# KiCad board SDR_1.2_Display.kicad_pcb
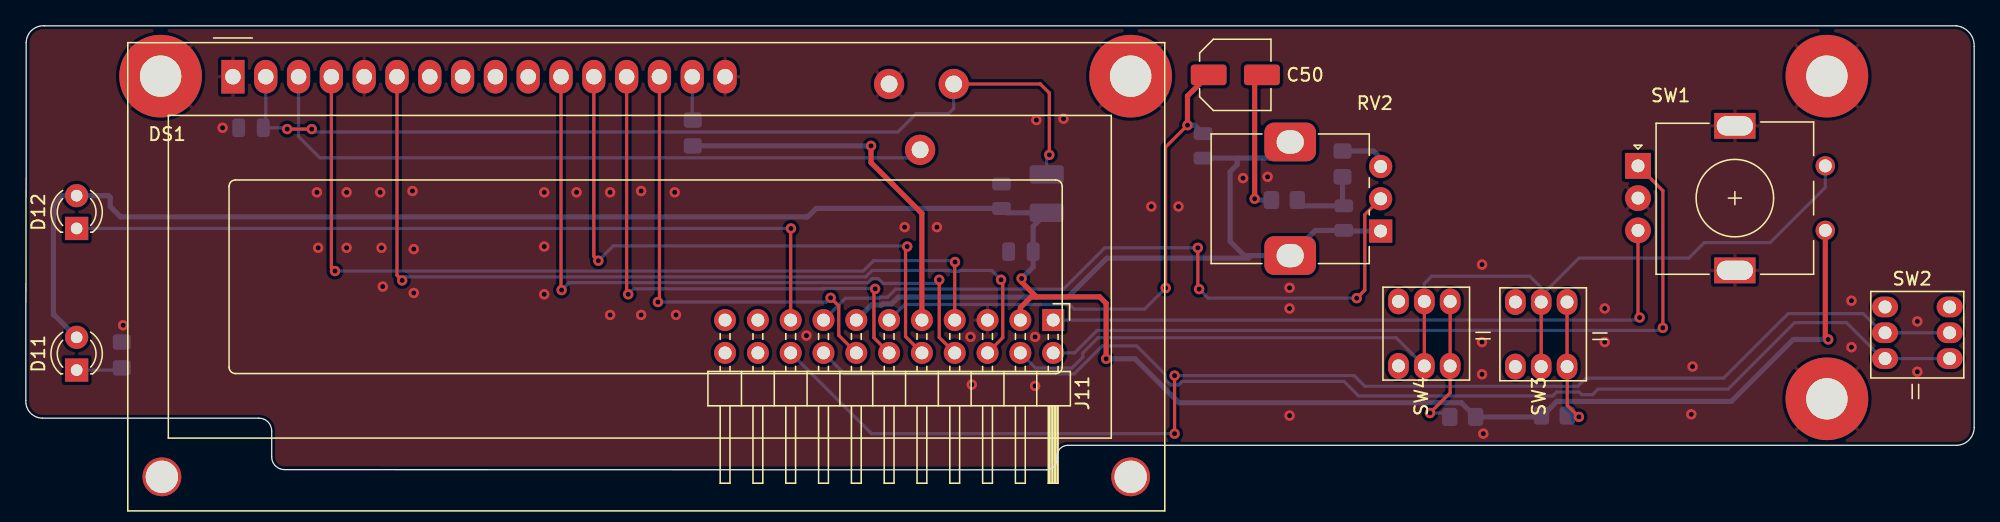
[diagram p0: board, top side]
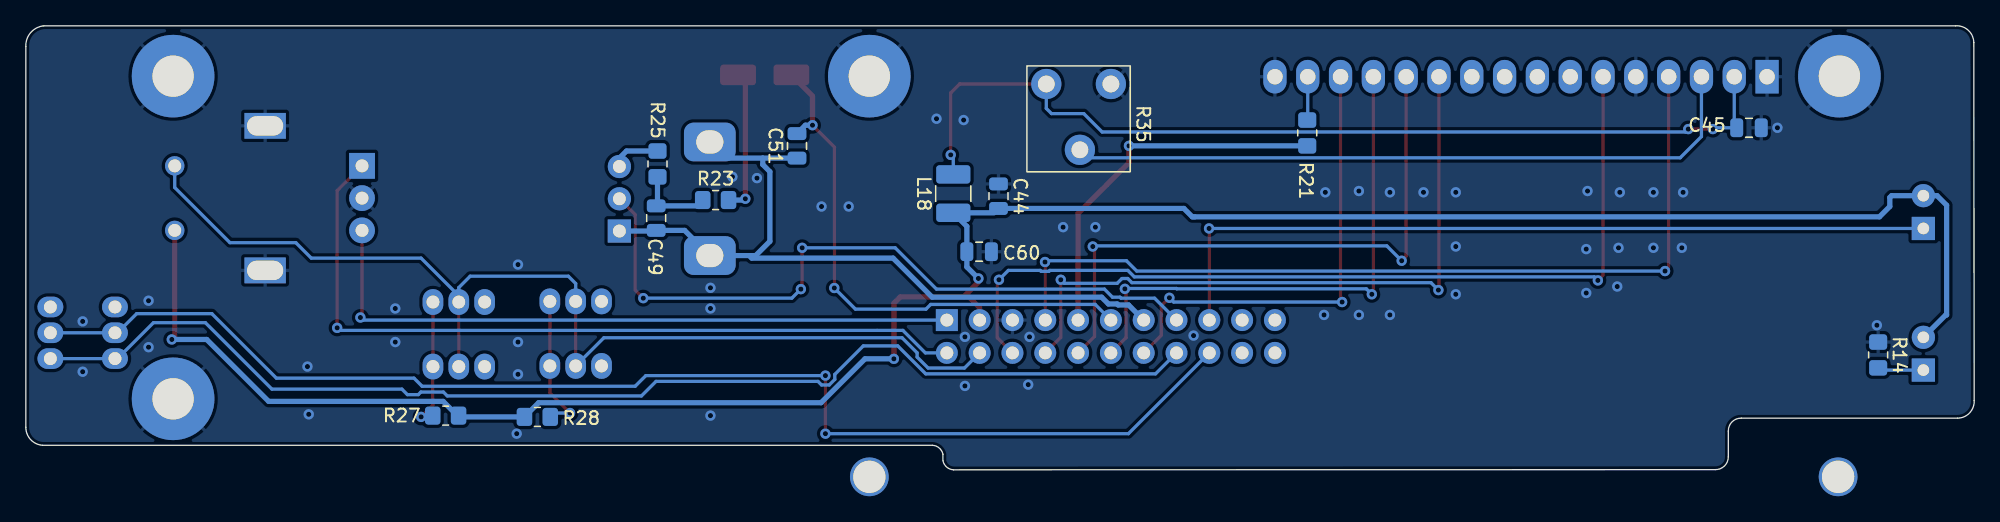
[diagram p1: board, bottom side, seen from below]

Outline 150.83 x 34.4 mm; copper layers: Top, Bottom. Coordinates in mm from the lower left corner of the outline.
Outline path: 0.03,33.1 0,5.37 arc(0.36,4.41) 1.3,4 18.03,4 arc(18.75,3.71) 19.03,3 19.03,1.01 arc(19.33,0.3) 20.05,0.01 79,0 arc(79.54,0.21) 79.83,0.7 79.83,1.2 arc(80.13,1.69) 80.66,1.9 149.53,1.9 arc(150.46,2.34) 150.83,3.3 150.83,32.8 arc(150.45,33.88) 149.43,34.4 1.43,34.4 arc(0.45,34.05) 0.03,33.1
Stack: Top 0.035mm / dielectric 1.51mm FR4 er 4.5 / Bottom 0.035mm

## Placement (name value [footprint] x y rotation side)
C44  100n  [C_0805_2012Metric]  75.53 21.2 270 bottom
C45  100n  [C_0805_2012Metric]  17.43 26.5 0 bottom
C49  10n  [C_0805_2012Metric]  102.03 19.5 90 bottom
C50  10uF  [C_Elec_5x5.4]  93.63 30.6 0 top
C51  10n  [C_0805_2012Metric]  91.13 25.1 90 bottom
C60  100n  [C_0805_2012Metric]  77.03 16.9 0 bottom
D11  LED  [LED_D3.0mm]  3.93 7.73 90 top
D12  LED  [LED_D3.0mm]  3.93 18.7 90 top
DS1  -  [WC1602A]  16.03 30.46 0 top
H5  MountingHole_Pad  [MountingHole_3.2mm_M3_Pad_TopBottom]  139.43 30.5 0 top
H6  MountingHole_Pad  [MountingHole_3.2mm_M3_Pad_TopBottom]  10.43 30.5 180 bottom
H7  MountingHole_Pad  [MountingHole_3.2mm_M3_Pad_TopBottom]  139.43 5.5 180 bottom
H8  MountingHole_Pad  [MountingHole_3.2mm_M3_Pad_TopBottom]  85.53 30.5 0 top
J11  Conn_02x11_Odd_Even  [PinHeader_2x11_P2.54mm_Horizontal]  79.53 11.6 270 top
L18  100uH  [L_1210_3225Metric_Pad1.42x2.65mm_HandSolder]  79.03 21.4 90 bottom
R14  390R  [R_0805_2012Metric_Pad1.20x1.40mm_HandSolder]  7.43 8.9 270 bottom
R21  1k  [R_0805_2012Metric_Pad1.20x1.40mm_HandSolder]  51.63 26.1 90 bottom
R23  10k  [R_0805_2012Metric_Pad1.20x1.40mm_HandSolder]  97.43 20.9 180 bottom
R25  10k  [R_0805_2012Metric_Pad1.20x1.40mm_HandSolder]  101.93 23.7 270 bottom
R27  1k  [R_0805_2012Metric_Pad1.20x1.40mm_HandSolder]  118.33 4.2 180 bottom
R28  3k3  [R_0805_2012Metric_Pad1.20x1.40mm_HandSolder]  111.23 4.1 0 bottom
R35  10k  [Potentiometer_Piher_PT-10-V10_Vertical]  71.83 29.89 270 bottom
RV2  10k RV09  [Potentiometer_Alps_RK09K]  104.88 18.5 180 top
SW1  Frequency  [RotaryEncoder_Alps_EC11E_Vertical_H20mm]  124.81 23.55 0 top
SW2  Right  [SW_PUSH_6mm]  143.93 12.62 0 top
SW3  Right  [SW_PUSH_6mm]  115.31 8 90 top
SW4  Left  [SW_PUSH_6mm]  106.27 8.05 90 top

## Footprints (pads in the part's own frame, mm; a bottom-side part is the same pattern mirrored in y, then rotated)
C_0805_2012Metric
  rrect 1x1.45 smd: 1(-0.95,0) 2(0.95,0)
C_Elec_5x5.4
  rrect 2.775x1.6 smd: 1(-2.062,0) 2(2.062,0)
L_1210_3225Metric_Pad1.42x2.65mm_HandSolder
  rrect 1.425x2.65 smd: 1(-1.488,0) 2(1.488,0)
LED_D3.0mm
  rect 1.8x1.8 hole 0.9: 1(0,0)
  round 1.8 hole 0.9: 2(2.54,0)
MountingHole_3.2mm_M3_Pad_TopBottom
  round 3.6 hole 3.2: 1(0,0)
  round 6.4 smd: 1(0,0)
  round 6.4 smd far side: 1(0,0)
PinHeader_2x11_P2.54mm_Horizontal
  rect 1.7x1.7 hole 1: 1(0,0)
  oval 1.7x1.7 hole 1: 2(2.54,0) 3(0,-2.54) 4(2.54,-2.54) 5(0,-5.08) 6(2.54,-5.08) 7(0,-7.62) 8(2.54,-7.62) 9(0,-10.16) 10(2.54,-10.16) 11(0,-12.7) 12(2.54,-12.7) 13(0,-15.24) 14(2.54,-15.24) 15(0,-17.78) 16(2.54,-17.78) 17(0,-20.32) 18(2.54,-20.32) 19(0,-22.86) 20(2.54,-22.86) 21(0,-25.4) 22(2.54,-25.4)
Potentiometer_Alps_RK09K
  rect 1.8x1.8 hole 1: 1(0,0)
  round 1.8 hole 1: 2(0,-2.5) 3(0,-5)
  rrect 4x3 hole 2.1x1.8: 4(7,1.9) 5(7,-6.9)
Potentiometer_Piher_PT-10-V10_Vertical
  round 2.34 hole 1.3: 1(0,0) 2(5.1,2.6) 3(0,5)
R_0805_2012Metric_Pad1.20x1.40mm_HandSolder
  rrect 1.2x1.4 smd: 1(-1,0) 2(1,0)
RotaryEncoder_Alps_EC11E_Vertical_H20mm
  rect 2x2 hole 1: A(0,0)
  round 2 hole 1: B(0,-5) C(0,-2.5)
  rect 3.2x2 hole 2.8x1.5: MP(7.5,3.1) MP(7.5,-8.1)
  round 1.5 hole 1: S1(14.5,0) S2(14.5,-5)
SW_PUSH_6mm
  oval 2x1.6 hole 1: (0,0) (5,0) 1(0,-2) 1(5,-2) 2(0,-4) 2(5,-4)
WC1602A
  round 3 hole 2.5: (-5.499,0) (-5.499,-31.001) (69.499,-31.001) (69.5,0)
  rect 1.8x2.6 hole 1.2: 1(0,0)
  oval 1.8x2.6 hole 1.2: 2(2.54,0) 3(5.08,0) 4(7.62,0) 5(10.16,0) 6(12.7,0) 7(15.24,0) 8(17.78,0) 9(20.32,0) 10(22.86,0) 11(25.4,0) 12(27.94,0) 13(30.48,0) 14(33.02,0) 15(35.56,0) 16(38.1,0)

## Nets
12V_P: J11.9 R21.1
+5V_P: C44.2 C60.2 D11.2 D12.2 J11.3 L18.1 R27.2 R28.2 SW1.S2
GND1: C44.1 C45.1 C60.1 DS1.1 DS1.5 DS1.16 H5.1 H6.1 H7.1 H8.1 J11.5 R14.1 R35.3 SW1.C SW1.MP
SDA_P: DS1.4 J11.7
Net-(C45-Pad2): C45.2 DS1.2 L18.2 R35.1
Net-(C49-Pad1): C49.1 C51.1 J11.13 RV2.1 RV2.4 RV2.5
Net-(C49-Pad2): C49.2 R23.1 R25.2
Net-(C50-Pad1): C50.1 C51.2 J11.11
Net-(C50-Pad2): C50.2 R23.2
Net-(D11-Pad1): D11.1 R14.2
Net-(D12-Pad1): D12.1 J11.17
Net-(DS1-Pad3): DS1.3 R35.2
Net-(DS1-Pad6): DS1.6 J11.6
Net-(DS1-Pad11): DS1.11 J11.8
Net-(DS1-Pad12): DS1.12 J11.10
Net-(DS1-Pad13): DS1.13 J11.12
Net-(DS1-Pad14): DS1.14 J11.14
Net-(DS1-Pad15): DS1.15 R21.2
Net-(J11-Pad1): J11.1 SW1.B
Net-(J11-Pad2): J11.2 SW1.A
Net-(J11-Pad4): J11.4 SW1.S1 SW3.1 SW4.1
Net-(J11-Pad15): J11.15 RV2.2
Net-(J11-Pad16): J11.16 SW2.2
Net-(J11-Pad18): J11.18 SW2.1
Net-(R25-Pad1): R25.1 RV2.3
Net-(R27-Pad1): R27.1 SW3.2
Net-(R28-Pad1): R28.1 SW4.2

Pads without a net: DS1 7 8 9 10; J11 19 20 21 22

## Via types
v1: diameter 0.8, hole 0.4, Top to Bottom, 82 vias

## Routing (per net, layer and track width the routed paths; a pad name or vN(x,y) marks a point on that pad's centre or on a via; arc(x,y) is an arc through that point)
12V_P: length 28.9
  Top w0.4: v1(65.43,25.1) 65.43,23.8 69.37,19.86 J11.9
  Bottom w0.4: v1(65.43,25.1) R21.1
+5V_P: length 178.9
  Top w0.4: 78.23,13.4 77.83,13.4 76.99,12.56 J11.3 ; 78.23,13.4 77.09,14.54 v1(77.09,14.82) ; 78.23,13.4 83.13,13.4 83.63,12.9 v1(83.63,8.6) ; SW1.S2 139.31,10.33 v1(139.53,10.1)
  Bottom w0.25: 75.87,19.91 C44.2
  Bottom w0.4: 75.87,19.91 L18.1 77.98,18.86 C60.2 77.98,15.72 v1(77.09,14.82) ; v1(139.53,10.1) 136.83,10.1 132.03,5.3 118.52,5.3 117.32,4.1 R28.2 111.13,5.2 89.27,5.2 85.87,8.6 v1(83.63,8.6) ; 60.43,19.6 7.33,19.6 6.53,20.4 6.53,21.1 6.39,21.24 D12.2 2.87,21.24 2.13,20.5 2.13,12 2.2,12 D11.2 ; 60.33,19.6 60.53,19.6 61.18,20.25 C44.2
GND1:
  vias: v1(7.53,11.2) v1(15.23,26.5) v1(22.53,21.5) v1(22.63,17.2) v1(24.83,21.5) v1(24.83,17.2) v1(27.43,21.5) v1(27.53,17.2) v1(27.63,14.2) v1(29.93,21.6) v1(30.03,17.1) v1(30.03,13.7) v1(40.13,21.5) v1(40.13,17.3) v1(40.13,13.6) v1(42.63,21.5) v1(45.23,21.5) v1(45.23,12) v1(47.63,21.6) v1(47.63,12) v1(50.23,21.5) v1(50.33,12) v1(60.43,10.4) v1(68.03,18.8) v1(70.53,18.8) v1(73.13,10.3) v1(73.23,6.6) v1(78.13,10.3) v1(78.13,6.5) v1(78.23,27.1) v1(80.33,27.2) v1(87.13,20.4) v1(89.23,20.4) v1(94.23,22.6) v1(96.13,22.7) v1(97.83,14.1) v1(97.83,12.5) v1(97.83,4.2) v1(112.73,15.9) v1(112.73,9.9) v1(112.73,7.4) v1(112.83,2.8) v1(122.23,12.5) v1(122.23,9.9) v1(128.93,4.3) v1(129.03,8) v1(141.33,13.1) v1(141.33,9.5) v1(146.43,11.5) v1(146.43,7.6)
SDA_P: length 68.1
  Top w0.25: DS1.4 23.65,15.68 v1(23.93,15.4) ; v1(71.93,16.1) 71.91,16.08 J11.7
  Bottom w0.25: v1(71.93,16.1) 71.83,16.2 65.63,16.2 64.83,15.4 v1(23.93,15.4)
Net-(C45-Pad2): length 74.4
  Top w0.25: R35.1 78.53,29.89 78.53,29.9 79.23,29.2 v1(79.23,24.4) ; v1(20.23,26.4) v1(22.13,26.4)
  Bottom w0.25: v1(20.23,26.4) 20.13,26.5 C45.2 18.57,26.69 DS1.2 ; v1(22.13,26.4) 22.36,26.18 67.51,26.18 68.93,27.6 71.43,27.6 71.83,28 R35.1 ; L18.2 79.03,24.2 v1(79.23,24.4)
Net-(C49-Pad1): length 59.5
  Bottom w0.4: RV2.5 96.63,24.15 93.78,24.15 ; RV2.1 102.08,18.5 C49.1 99.83,18.55 RV2.4 94.83,16.6 ; 94.83,16.6 94.63,16.4 83.69,16.4 80.67,13.38 67.55,13.38 67.02,12.85 66.34,12.85 66.27,12.77 65.46,12.77 J11.13 ; 94.83,16.6 94.33,16.6 93.23,17.7 93.23,23.1 93.78,23.65 93.78,24.15 ; 93.78,24.15 C51.1
Net-(C49-Pad2): length 6.1
  Bottom w0.4: R23.1 98.88,20.45 C49.2 101.93,20.55 R25.2
Net-(C50-Pad1): length 42.1
  Top w0.25: v1(89.93,26.7) 88.23,25 88.23,14.1 v1(88.24,14.09)
  Top w0.4: v1(89.93,26.7) 89.93,28.96 C50.1
  Bottom w0.25: v1(88.24,14.09) 86.61,12.45 81.15,12.45 80.78,12.81 68.05,12.81 J11.11
  Bottom w0.4: v1(89.93,26.7) 90.48,26.7 C51.2
Net-(C50-Pad2): length 11.2
  Top w0.4: v1(95.13,21) 95.13,30.04 C50.2
  Bottom w0.4: R23.2 95.23,20.9 v1(95.13,21)
Net-(D11-Pad1): length 3.6
  Bottom w0.25: R14.2 7.26,7.73 D11.1
Net-(D12-Pad1): length 62.4
  Top w0.25: J11.17 59.21,18.68 v1(59.23,18.7)
  Bottom w0.25: D12.1 v1(59.23,18.7)
Net-(DS1-Pad3): length 53.7
  Bottom w0.25: R35.2 68.62,24.18 22.76,24.18 21.11,25.82 DS1.3
Net-(DS1-Pad6): length 69.2
  Top w0.25: v1(75.5,14.72) 75.63,14.59 75.63,10.24 J11.6 ; v1(29.13,14.68) 28.73,15.08 DS1.6
  Bottom w0.25: v1(29.13,14.68) 29.41,14.95 65.02,14.95 65.52,15.45 71.56,15.45 71.63,15.38 72.23,15.38 72.31,15.45 74.77,15.45 v1(75.5,14.72)
Net-(DS1-Pad11): length 52.6
  Top w0.25: v1(70.71,14.72) 70.71,10.26 J11.8 ; DS1.11 41.43,13.97 v1(41.48,13.93)
  Bottom w0.25: v1(70.71,14.72) 70.44,14.45 66.34,14.45 65.97,14.82 65.53,14.82 65.2,14.5 42.05,14.5 v1(41.48,13.93)
Net-(DS1-Pad12): length 47.6
  Top w0.25: v1(68.23,17.3) 68.1,17.17 68.1,10.33 J11.10 ; DS1.12 43.97,16.55 v1(44.32,16.2)
  Bottom w0.25: v1(68.23,17.3) 68.18,17.35 45.47,17.35 v1(44.32,16.2)
Net-(DS1-Pad13): length 41.7
  Top w0.25: v1(46.63,13.6) 46.51,13.72 DS1.13 ; J11.12 65.66,10.23 65.66,13.93 v1(65.75,14.02)
  Bottom w0.25: v1(65.75,14.02) 65.72,14.05 61.76,14.05 61.73,14.02 47.06,14.02 v1(46.63,13.6)
Net-(DS1-Pad14): length 36.1
  Top w0.25: J11.14 62.93,10.42 62.93,12.7 v1(62.3,13.33) ; v1(48.93,13) 49.05,13.12 DS1.14
  Bottom w0.25: v1(48.93,13) 61.98,13 v1(62.3,13.33)
Net-(DS1-Pad15): length 3.4
  Bottom w0.25: R21.2 51.59,27.14 DS1.15
Net-(J11-Pad1): length 52.3
  Top w0.25: SW1.B 124.81,11.93 v1(124.93,11.8)
  Bottom w0.25: v1(124.93,11.8) 124.73,11.6 J11.1
Net-(J11-Pad2): length 61.4
  Top w0.25: SW1.A 126.73,21.63 v1(126.73,11)
  Bottom w0.25: v1(126.73,11) 126.53,10.8 82.93,10.8 81.19,9.06 J11.2
Net-(J11-Pad4): length 83.6
  Top w0.25: SW4.1 SW4.1 ; SW3.1 SW3.1
  Bottom w0.25: SW4.1 106.08,10.23 83,10.23 81.83,9.06 81.83,8.74 80.98,7.89 78.17,7.89 J11.4 ; SW4.1 108.27,14.43 108.83,15 116.43,15 117.31,14.12 SW3.1 117.31,13.48 120.23,16.4 128.73,16.4 129.93,17.6 135.03,17.6 139.31,21.88 SW1.S1
Net-(J11-Pad15): length 55.5
  Top w0.25: v1(90.73,17.2) 90.73,14.1 v1(90.83,14) ; v1(103.03,13.3) 103.66,13.93 103.66,19.78 RV2.2
  Bottom w0.25: J11.15 63.45,13.3 66.05,13.3 66.13,13.37 66.71,13.37 67.33,14 80.33,14 83.53,17.2 v1(90.73,17.2) ; v1(103.03,13.3) 91.53,13.3 v1(90.83,14)
Net-(J11-Pad16): length 94.5
  Bottom w0.25: SW2.2 SW2.2 143.73,8.62 140.95,11.4 136.93,11.4 131.78,6.25 121.72,6.25 121.29,5.82 120.45,5.82 120.25,6.02 118.51,6.02 118.21,5.72 103.17,5.72 102.05,6.85 89.51,6.85 89.23,6.58 88.63,6.58 88.21,7 88.21,7.39 86,9.6 83.33,9.6 81.17,7.44 63.38,7.44 J11.16
Net-(J11-Pad18): length 100.1
  Top w0.25: v1(88.93,7.3) v1(88.93,2.8)
  Bottom w0.25: v1(88.93,2.8) 65.47,2.8 J11.18 ; v1(88.93,7.3) 102.83,7.3 103.66,6.47 120.15,6.47 120.78,7.1 131.43,7.1 136.43,12.1 142.25,12.1 143.73,10.62 SW2.1 SW2.1
Net-(R25-Pad1): length 3.8
  Bottom w0.4: R25.1 104.33,24.7 104.88,24.15 RV2.3
Net-(R27-Pad1): length 10.2
  Top w0.25: v1(120.23,4.1) 119.33,5 119.33,7.98 SW3.2 SW3.2
  Bottom w0.25: v1(120.23,4.1) 119.43,4.1 R27.1
Net-(R28-Pad1): length 10.9
  Top w0.25: SW4.2 SW4.2 110.27,5.96 v1(108.7,4.4)
  Bottom w0.25: v1(108.7,4.4) 109.93,4.4 R28.1

## Copper pours and planes (outline as drawn; the poured copper is in the pictures)
GND1 on Top: 153.03,-5.1 -2.47,-5.1 -2.47,36.6 153.03,36.6
GND1 on Bottom: 153.03,-5.1 -2.47,-5.1 -2.47,36.6 153.03,36.6
